# KiCad board ghoul.kicad_pcb
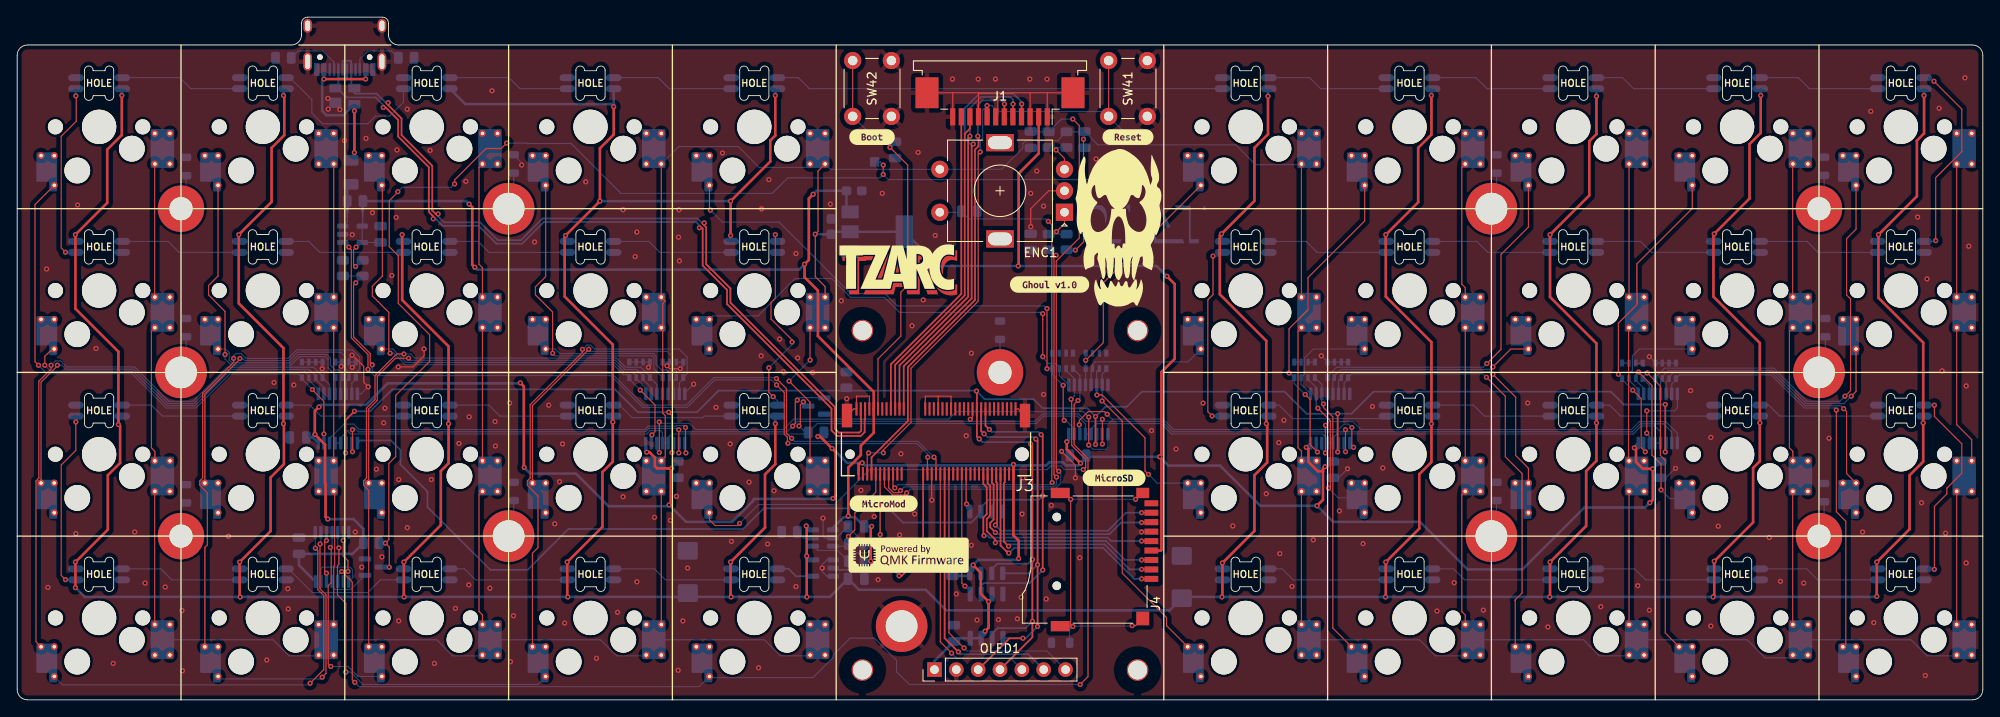
[diagram p0: board, top side]
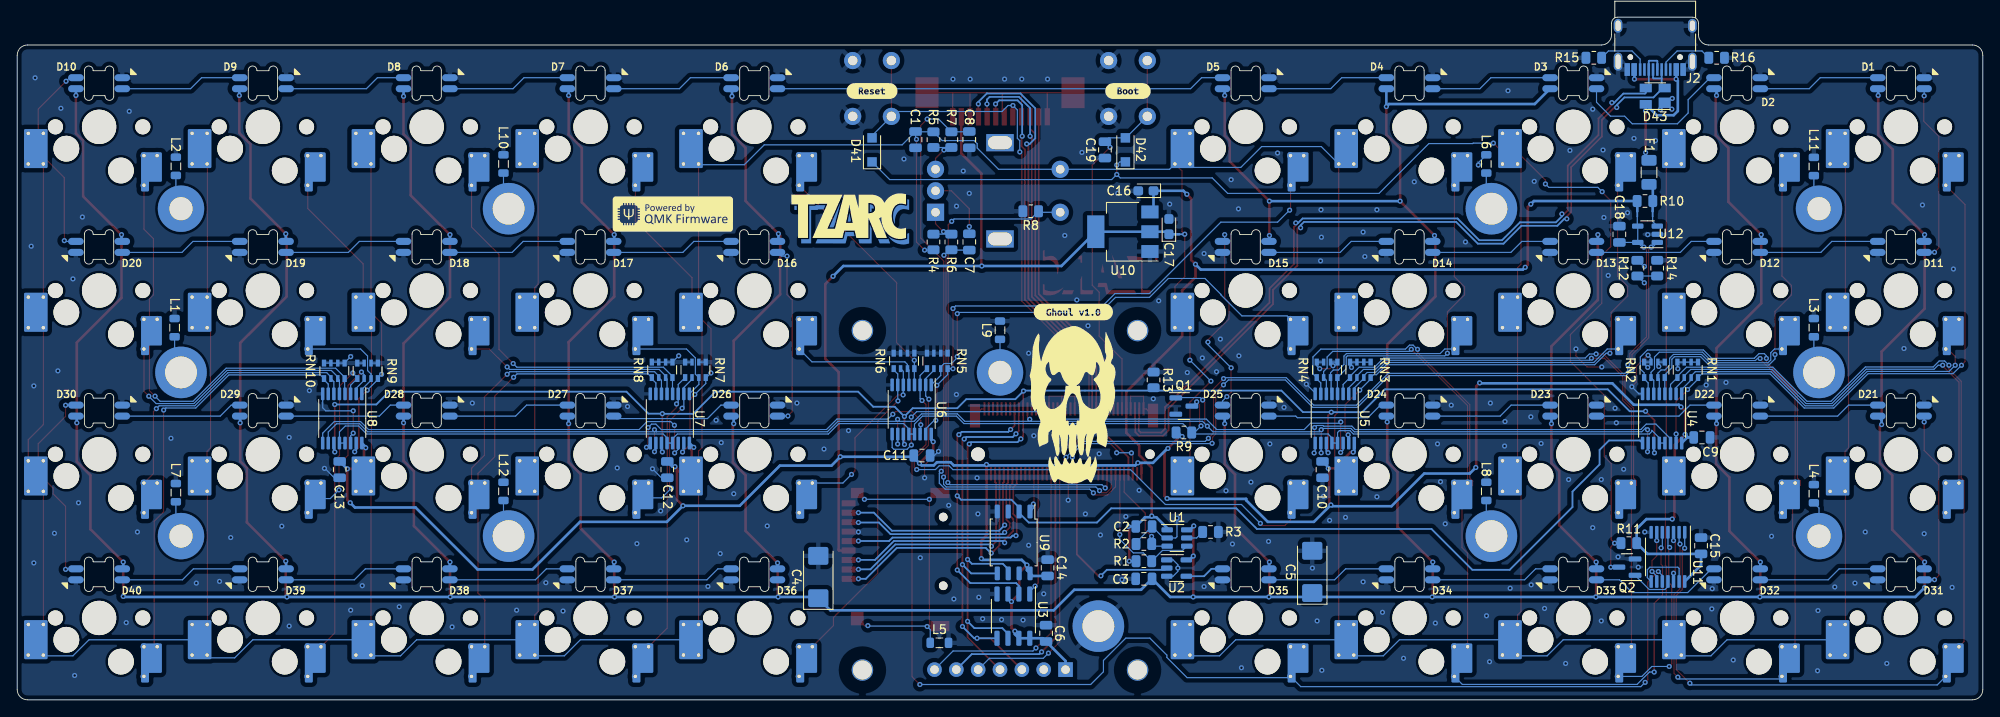
[diagram p1: board, bottom side, seen from below]

Outline 228.6 x 79.44 mm; copper layers: Top, Bottom. Coordinates in mm from the lower left corner of the outline.
Outline path: 0,75.01 0,1.19 arc(0.35,0.35) 1.19,0 227.41,0 arc(228.25,0.35) 228.6,1.19 228.6,75.01 arc(228.25,75.85) 227.41,76.2 44.37,76.2 arc(43.53,76.55) 43.18,77.39 43.18,78.74 arc(42.97,79.23) 42.48,79.44 33.77,79.44 arc(33.27,79.23) 33.07,78.74 33.07,77.39 arc(32.72,76.55) 31.88,76.2 1.19,76.2 arc(0.35,75.85) 0,75.01
Stack: Top 0.035mm / dielectric 1.51mm FR4 er 4.5 / Bottom 0.035mm

## Placement (name value [footprint] x y rotation side)
C1  100n  [C_0805_2012Metric]  124.12 65.19 270 bottom
C2  100n  [C_0805_2012Metric]  97.56 20.17 180 bottom
C3  100n  [C_0805_2012Metric]  97.57 14.08 0 bottom
C4  100u  [CP_EIA-6032-15_Kemet-U]  135.43 14.29 90 bottom
C5  100u  [CP_EIA-6032-15_Kemet-U]  77.99 14.88 90 bottom
C6  100n  [C_0805_2012Metric]  108.94 7.74 90 bottom
C7  100n  [C_0805_2012Metric]  117.87 53.28 90 bottom
C8  100n  [C_0805_2012Metric]  117.87 65.19 270 bottom
C9  100n  [C_0805_2012Metric]  32.67 30.53 180 bottom
C10  100n  [C_0805_2012Metric]  76.8 26.79 270 bottom
C11  100n  [C_0805_2012Metric]  123.38 28.43 180 bottom
C12  100n  [C_0805_2012Metric]  153 26.79 270 bottom
C13  100n  [C_0805_2012Metric]  191.1 26.79 270 bottom
C14  100n  [C_0805_2012Metric]  108.76 15.36 90 bottom
C15  100n  [C_0805_2012Metric]  32.77 17.93 90 bottom
C16  1u  [CP_EIA-2012-15_AVX-P]  97.33 59.23 0 bottom
C17  1u  [CP_EIA-2012-15_AVX-P]  94.65 55.07 90 bottom
C18  100n  [C_0805_2012Metric]  42.27 54.17 90 bottom
C19  100n  [C_0805_2012Metric]  102.1 64 270 bottom
D1  SK6803  [SK6803Mini-E]  9.53 71.75 180 top
D2  SK6803  [SK6803Mini-E]  28.58 71.75 180 top
D3  SK6803  [SK6803Mini-E]  47.63 71.75 180 top
D4  SK6803  [SK6803Mini-E]  66.68 71.75 180 top
D5  SK6803  [SK6803Mini-E]  85.73 71.75 180 top
D6  SK6803  [SK6803Mini-E]  142.88 71.75 180 top
D7  SK6803  [SK6803Mini-E]  161.93 71.75 180 top
D8  SK6803  [SK6803Mini-E]  180.98 71.75 180 top
D9  SK6803  [SK6803Mini-E]  200.03 71.75 180 top
D10  SK6803  [SK6803Mini-E]  219.08 71.75 180 top
D11  SK6803  [SK6803Mini-E]  9.53 52.7 0 top
D12  SK6803  [SK6803Mini-E]  28.58 52.7 0 top
D13  SK6803  [SK6803Mini-E]  47.63 52.7 0 top
D14  SK6803  [SK6803Mini-E]  66.68 52.7 0 top
D15  SK6803  [SK6803Mini-E]  85.73 52.7 0 top
D16  SK6803  [SK6803Mini-E]  142.88 52.7 0 top
D17  SK6803  [SK6803Mini-E]  161.93 52.7 0 top
D18  SK6803  [SK6803Mini-E]  180.98 52.7 0 top
D19  SK6803  [SK6803Mini-E]  200.03 52.7 0 top
D20  SK6803  [SK6803Mini-E]  219.08 52.7 0 top
D21  SK6803  [SK6803Mini-E]  9.53 33.65 180 top
D22  SK6803  [SK6803Mini-E]  28.58 33.65 180 top
D23  SK6803  [SK6803Mini-E]  47.63 33.65 180 top
D24  SK6803  [SK6803Mini-E]  66.68 33.65 180 top
D25  SK6803  [SK6803Mini-E]  85.73 33.65 180 top
D26  SK6803  [SK6803Mini-E]  142.88 33.65 180 top
D27  SK6803  [SK6803Mini-E]  161.93 33.65 180 top
D28  SK6803  [SK6803Mini-E]  180.98 33.65 180 top
D29  SK6803  [SK6803Mini-E]  200.03 33.65 180 top
D30  SK6803  [SK6803Mini-E]  219.08 33.65 180 top
D31  SK6803  [SK6803Mini-E]  9.53 14.6 0 top
D32  SK6803  [SK6803Mini-E]  28.58 14.6 0 top
D33  SK6803  [SK6803Mini-E]  47.63 14.6 0 top
D34  SK6803  [SK6803Mini-E]  66.68 14.6 0 top
D35  SK6803  [SK6803Mini-E]  85.73 14.6 0 top
D36  SK6803  [SK6803Mini-E]  142.88 14.6 0 top
D37  SK6803  [SK6803Mini-E]  161.93 14.6 0 top
D38  SK6803  [SK6803Mini-E]  180.98 14.6 0 top
D39  SK6803  [SK6803Mini-E]  200.03 14.6 0 top
D40  SK6803  [SK6803Mini-E]  219.08 14.6 0 top
D41  1N4148WL  [D_SOD-123F]  129.18 64 90 bottom
D42  1N4148WL  [D_SOD-123F]  99.71 64 90 bottom
D43  PRTR5V0U2X  [SOT-143]  38.1 70.25 0 bottom
ENC1  EC11N  [RotaryEncoder_Alps_EC11E-Switch_Vertical_H20mm_Centred]  114.3 59.23 180 top
F1  RF1989-000  [Fuse_1206_3216Metric]  38.82 61.38 90 bottom
G***  LOGO  [Ghoul-Logo]  128.07 54.93 0 top
G***#2  LOGO  [Tzarc-Logo]  102.47 50.03 0 top
G***#3  LOGO  [QMK_PoweredBy]  103.67 16.83 0 top
G***#4  LOGO  [Ghoul-Logo]  105.87 34.33 180 bottom
G***#5  LOGO  [Tzarc-Logo]  131.72 55.96 180 bottom
G***#6  LOGO  [QMK_PoweredBy]  152.35 56.52 180 bottom
H1  L=2.5mm M2 Standoff  [MountingHole_3.7mm_Pad]  209.55 38.1 180 bottom
H2  M2 Screw  [MountingHole_2.7mm_M2.5_Pad]  209.55 57.15 0 top
H3  L=2.5mm M2 Standoff  [MountingHole_3.7mm_Pad]  19.05 38.1 180 bottom
H4  M2 Screw  [MountingHole_2.7mm_M2.5_Pad]  19.05 19.05 0 top
H5  L=2.5mm M2 Standoff  [MountingHole_3.7mm_Pad]  57.15 57.15 180 bottom
H6  M2 Screw  [MountingHole_2.7mm_M2.5_Pad]  209.55 19.05 0 top
H7  L=2.5mm M2 Standoff  [MountingHole_3.7mm_Pad]  57.15 19.05 180 bottom
H8  M2 Screw  [MountingHole_2.7mm_M2.5_Pad]  114.3 38.1 0 top
H9  L=2.5mm M2 Standoff  [MountingHole_3.7mm_Pad]  171.45 57.15 180 bottom
H10  M2 Screw  [MountingHole_2.7mm_M2.5_Pad]  19.05 57.15 0 top
H11  L=2.5mm M2 Standoff  [MountingHole_3.7mm_Pad]  171.45 19.05 180 bottom
J1  X10B25L12T  [TE_1-84953-2_1x12-1MP_P1.0mm_Horizontal]  114.3 69.64 180 top
J2  HRO_TYPE-C-31-M-12  [USB_C_Receptacle_HRO_TYPE-C-31-M-12]  38.1 77.39 0 bottom
J3  MICROMOD_E-2222  [MicroMod_M.2-CONNECTOR-E]  106.86 28.57 180 top
J4  microSD_TF-115  [microSD_XunPu_TF-115]  120.9 16.32 270 top
kibuzzard-62354CEE  G***  [kibuzzard-62354CEE]  120.07 48.33 0 top
kibuzzard-62354CEE#2  G***  [kibuzzard-62354CEE]  105.77 45.13 180 bottom
kibuzzard-62367B4C  G***  [kibuzzard-62367B4C]  99.42 70.84 180 bottom
kibuzzard-62367B65  G***  [kibuzzard-62367B65]  99.42 65.48 0 top
kibuzzard-62367BDD  G***  [kibuzzard-62367BDD]  129.18 65.48 0 top
kibuzzard-62367C14  G***  [kibuzzard-62367C14]  129.18 70.84 180 bottom
kibuzzard-62367E91  G***  [kibuzzard-62367E91]  100.77 22.83 0 top
kibuzzard-6236804E  G***  [kibuzzard-6236804E]  127.57 25.83 0 top
L1  MPZ2012S101AT000  [L_0805_2012Metric]  210.29 43.31 90 bottom
L2  MPZ2012S101AT000  [L_0805_2012Metric]  210.15 62.08 90 bottom
L3  MPZ2012S101AT000  [L_0805_2012Metric]  19.65 43.31 90 bottom
L4  MPZ2012S101AT000  [L_0805_2012Metric]  19.65 23.98 90 bottom
L5  MPZ2012S101AT000  [L_0805_2012Metric]  121.35 6.63 180 bottom
L6  MPZ2012S101AT000  [L_0805_2012Metric]  57.75 62.36 90 bottom
L7  MPZ2012S101AT000  [L_0805_2012Metric]  210.15 24.11 90 bottom
L8  MPZ2012S101AT000  [L_0805_2012Metric]  57.75 24.26 90 bottom
L9  MPZ2012S101AT000  [L_0805_2012Metric]  114.3 43.01 90 bottom
L10  MPZ2012S101AT000  [L_0805_2012Metric]  172.05 62.36 90 bottom
L11  MPZ2012S101AT000  [L_0805_2012Metric]  19.65 62.06 90 bottom
L12  MPZ2012S101AT000  [L_0805_2012Metric]  172.05 24.26 90 bottom
NT1  -  [NetTie-2_SMD_Pad0.2mm]  93.17 54.17 0 bottom
NT2  -  [NetTie-2_SMD_Pad0.2mm]  38.4 56.55 90 bottom
NT3  -  [NetTie-2_SMD_Pad0.2mm]  40.18 56.55 90 bottom
OLED1  MTF185-107SY1  [OLED_SSD1351_1.5inch]  114.3 23.22 0 top
Q1  2N7002  [SOT-23]  92.92 34.18 180 bottom
Q2  2N7002  [SOT-23]  41.38 15.44 0 bottom
R1  5.1k  [R_0805_2012Metric]  97.57 16.13 180 bottom
R2  5.1k  [R_0805_2012Metric]  97.57 18.13 0 bottom
R3  75k  [R_0805_2012Metric]  89.82 19.53 180 bottom
R4  5.1k  [R_0805_2012Metric]  122.04 53.28 90 bottom
R5  5.1k  [R_0805_2012Metric]  122.04 65.19 270 bottom
R6  5.1k  [R_0805_2012Metric]  119.96 53.28 90 bottom
R7  5.1k  [R_0805_2012Metric]  119.96 65.19 270 bottom
R8  5.1k  [R_0805_2012Metric]  110.73 56.85 0 bottom
R9  5.1k  [R_0805_2012Metric]  92.91 31.11 0 bottom
R10  0.005R  [R_0805_2012Metric]  39.29 58.04 180 bottom
R11  5.1k  [R_0805_2012Metric]  41.17 18.23 180 bottom
R12  75k  [R_0805_2012Metric]  40.17 50.23 90 bottom
R13  5.1k  [R_0805_2012Metric]  96.44 37.23 270 bottom
R14  75k  [R_0805_2012Metric]  37.87 50.23 270 bottom
R15  5.1k  [R_0805_2012Metric]  45.24 74.71 180 bottom
R16  5.1k  [R_0805_2012Metric]  30.96 74.71 0 bottom
RN1  4x10k  [R_Array_Convex_4x0603]  34.32 38.4 270 bottom
RN2  4x10k  [R_Array_Convex_4x0603]  38.19 38.4 90 bottom
RN3  4x10k  [R_Array_Convex_4x0603]  72.39 38.4 270 bottom
RN4  4x10k  [R_Array_Convex_4x0603]  76.26 38.4 90 bottom
RN5  4x10k  [R_Array_Convex_4x0603]  121.59 39.44 270 bottom
RN6  4x10k  [R_Array_Convex_4x0603]  125.46 39.44 90 bottom
RN7  4x10k  [R_Array_Convex_4x0603]  149.72 38.4 270 bottom
RN8  4x10k  [R_Array_Convex_4x0603]  153.59 38.4 90 bottom
RN9  4x10k  [R_Array_Convex_4x0603]  187.85 38.28 270 bottom
RN10  4x10k  [R_Array_Convex_4x0603]  191.72 38.28 90 bottom
SW1  MX  [MX-1U-Hotswap]  9.53 66.67 180 top
SW2  MX  [MX-1U-Hotswap]  28.58 66.67 180 top
SW3  MX  [MX-1U-Hotswap]  47.63 66.67 180 top
SW4  MX  [MX-1U-Hotswap]  66.68 66.67 180 top
SW5  MX  [MX-1U-Hotswap]  85.73 66.67 180 top
SW6  MX  [MX-1U-Hotswap]  142.88 66.67 180 top
SW7  MX  [MX-1U-Hotswap]  161.93 66.67 180 top
SW8  MX  [MX-1U-Hotswap]  180.98 66.67 180 top
SW9  MX  [MX-1U-Hotswap]  200.03 66.67 180 top
SW10  MX  [MX-1U-Hotswap]  219.08 66.67 180 top
SW11  MX  [MX-1U-Hotswap]  9.53 47.62 180 top
SW12  MX  [MX-1U-Hotswap]  28.58 47.62 180 top
SW13  MX  [MX-1U-Hotswap]  47.63 47.62 180 top
SW14  MX  [MX-1U-Hotswap]  66.68 47.62 180 top
SW15  MX  [MX-1U-Hotswap]  85.73 47.62 180 top
SW16  MX  [MX-1U-Hotswap]  142.88 47.62 180 top
SW17  MX  [MX-1U-Hotswap]  161.93 47.62 180 top
SW18  MX  [MX-1U-Hotswap]  180.98 47.62 180 top
SW19  MX  [MX-1U-Hotswap]  200.03 47.62 180 top
SW20  MX  [MX-1U-Hotswap]  219.08 47.62 180 top
SW21  MX  [MX-1U-Hotswap]  9.53 28.57 180 top
SW22  MX  [MX-1U-Hotswap]  28.58 28.57 180 top
SW23  MX  [MX-1U-Hotswap]  47.63 28.57 180 top
SW24  MX  [MX-1U-Hotswap]  66.68 28.57 180 top
SW25  MX  [MX-1U-Hotswap]  85.73 28.57 180 top
SW26  MX  [MX-1U-Hotswap]  142.88 28.57 180 top
SW27  MX  [MX-1U-Hotswap]  161.93 28.57 180 top
SW28  MX  [MX-1U-Hotswap]  180.98 28.57 180 top
SW29  MX  [MX-1U-Hotswap]  200.03 28.57 180 top
SW30  MX  [MX-1U-Hotswap]  219.08 28.57 180 top
SW31  MX  [MX-1U-Hotswap]  9.53 9.52 180 top
SW32  MX  [MX-1U-Hotswap]  28.58 9.52 180 top
SW33  MX  [MX-1U-Hotswap]  47.63 9.52 180 top
SW34  MX  [MX-1U-Hotswap]  66.68 9.52 180 top
SW35  MX  [MX-1U-Hotswap]  85.73 9.52 180 top
SW36  MX  [MX-1U-Hotswap]  142.88 9.52 180 top
SW37  MX  [MX-1U-Hotswap]  161.93 9.52 180 top
SW38  MX  [MX-1U-Hotswap]  180.98 9.52 180 top
SW39  MX  [MX-1U-Hotswap]  200.03 9.52 180 top
SW40  MX  [MX-1U-Hotswap]  219.08 9.52 180 top
SW41  nRST  [SW_PUSH_6mm]  126.93 67.89 90 top
SW42  nBOOT  [SW_PUSH_6mm]  97.17 67.89 90 top
U1  TPS2553DBVR  [SOT-23-6]  93.72 18.83 180 bottom
U2  SN74AHCT1G125DBVR  [SOT-23-5]  93.77 15.33 180 bottom
U3  MB85RS64PNF-G-JNERE1  [SO-8_3.9x4.9mm_P1.27mm]  112.74 9.74 270 bottom
U4  MC74HC589ADTR2G  [TSSOP-16_4.4x5mm_P0.65mm]  37.29 32.74 270 bottom
U5  MC74HC589ADTR2G  [TSSOP-16_4.4x5mm_P0.65mm]  75.37 32.74 270 bottom
U6  MC74HC589ADTR2G  [TSSOP-16_4.4x5mm_P0.65mm]  124.57 33.78 270 bottom
U7  MC74HC589ADTR2G  [TSSOP-16_4.4x5mm_P0.65mm]  152.7 32.74 270 bottom
U8  MC74HC589ADTR2G  [TSSOP-16_4.4x5mm_P0.65mm]  190.8 32.74 270 bottom
U9  W25Q64JVSSIQ  [SOIC-8_5.23x5.23mm_P1.27mm]  112.71 18.31 270 bottom
U10  AZ1117H-3.3TRE1  [SOT-223-3_TabPin2]  100.01 54.47 0 bottom
U11  MC74HC08ADTR2G  [TSSOP-14_4.4x5mm_P0.65mm]  36.62 16.63 270 bottom
U12  INA180A4IDBVT  [SOT-23-5]  38.99 54.17 0 bottom

## Library data of the parts
C1-C3 C6-C15 C18 C19 = -: LCSC: C1760
C4 C5 = -: LCSC: C273664
C16 C17 = -: LCSC: C2912521
D41 D42 = -: LCSC: C108804
D43 = -: LCSC: C2827688
ENC1 = -: LCSC: C470748
F1 = -: LCSC: C207216
J1 = -: LCSC: C500171
J2 = -: LCSC: C165948
J4 = -: LCSC: C266620
L1-L12 = -: LCSC: C15957
OLED1 = -: LCSC: C358721
Q1 Q2 = -: LCSC: C8545
R1 R2 R4-R9 R11 R13 R15 R16 = -: LCSC: C27834
R3 R12 R14 = -: LCSC: C17819
R10 = -: LCSC: C845202
RN1-RN10 = -: LCSC: C29718
SW41 = -: LCSC: C2888999
SW42 = -: LCSC: C2889000
U1 = -: LCSC: C55266
U2 = -: LCSC: C7484
U3 = -: LCSC: C8741
U4-U8 = -: LCSC: C233472
U9 = -: LCSC: C179171
U10 = -: LCSC: C92517
U11 = -: LCSC: C154816
U12 = -: LCSC: C133969

## Footprints (pads in the part's own frame, mm; a bottom-side part is the same pattern mirrored in y, then rotated)
C_0805_2012Metric
  rrect 1x1.45 smd: 1(-0.95,0) 2(0.95,0)
CP_EIA-2012-15_AVX-P
  rrect 1.125x1.05 smd: 1(-0.887,0) 2(0.887,0)
CP_EIA-6032-15_Kemet-U
  rrect 2.075x2.35 smd: 1(-2.462,0) 2(2.462,0)
D_SOD-123F
  rect 1.1x1.1 smd: 1(-1.4,0) 2(1.4,0)
Fuse_1206_3216Metric
  rrect 1.25x1.75 smd: 1(-1.4,0) 2(1.4,0)
L_0805_2012Metric
  rrect 0.875x1.2 smd: 1(-1.062,0) 2(1.062,0)
MicroMod_M.2-CONNECTOR-E
  round 1.6 hole 1.6 unplated: (-10,0)
  round 1.1 hole 1.1 unplated: (10,0)
  rect 0.24x1.55 smd: 1(9.25,-5.275) 2(9,2.275) 3(8.75,-5.275) 4(8.5,2.275) 5(8.25,-5.275) 6(8,2.275) 7(7.75,-5.275) 8(7.5,2.275) 9(7.25,-5.275) 10(7,2.275) 11(6.75,-5.275) 12(6.5,2.275) 13(6.25,-5.275) 14(6,2.275) 15(5.75,-5.275) 16(5.5,2.275) 17(5.25,-5.275) 18(5,2.275) 19(4.75,-5.275) 20(4.5,2.275) 21(4.25,-5.275) 22(4,2.275) 23(3.75,-5.275) 32(1.5,2.275) 33(1.25,-5.275) 34(1,2.275) 35(0.75,-5.275) 36(0.5,2.275) 37(0.25,-5.275) 38(0,2.275) 39(-0.25,-5.275) 40(-0.5,2.275) 41(-0.75,-5.275) 42(-1,2.275) 43(-1.25,-5.275) 44(-1.5,2.275) 45(-1.75,-5.275) 46(-2,2.275) 47(-2.25,-5.275) 48(-2.5,2.275) 49(-2.75,-5.275) 50(-3,2.275) 51(-3.25,-5.275) 52(-3.5,2.275) 53(-3.75,-5.275) 54(-4,2.275) 55(-4.25,-5.275) 56(-4.5,2.275) 57(-4.75,-5.275) 58(-5,2.275) 59(-5.25,-5.275) 60(-5.5,2.275) 61(-5.75,-5.275) 62(-6,2.275) 63(-6.25,-5.275) 64(-6.5,2.275) 65(-6.75,-5.275) 66(-7,2.275) 67(-7.25,-5.275) 68(-7.5,2.275) 69(-7.75,-5.275) 70(-8,2.275) 71(-8.25,-5.275) 72(-8.5,2.275) 73(-8.75,-5.275) 74(-9,2.275) 75(-9.25,-5.275)
  rect 1.2x2.75 smd: M(-10.35,-4.5) M(10.35,-4.5)
  round 6 hole 3.7: S(4,20)
microSD_XunPu_TF-115
  round 1 hole 1 unplated: (-4.95,0) (3.05,0)
  rect 0.7x1.6 smd: 1(2.25,11) 2(1.15,11) 3(0.05,11) 4(-1.05,11) 5(-2.15,11) 6(-3.25,11) 7(-4.35,11) 8(-5.45,11) CD(-6.55,11)
  rect 1.2x1.5 smd: S(-7.75,10)
  rect 1.2x2.2 smd: S(-7.75,0.4) S(7.75,0.4)
  rect 1.6x1.5 smd: S(6.85,10)
MountingHole_2.7mm_M2.5_Pad
  round 5.4 hole 2.7: 1(0,0)
MountingHole_3.7mm_Pad
  round 6 hole 3.7: 1(0,0)
MX-1U-Hotswap
  round 1.75 hole 1.75 unplated: (-5.08,0) (5.08,0)
  round 3 hole 3 unplated: (-3.81,2.54) (2.54,5.08)
  round 3.988 hole 3.988 unplated: (0,0)
  round 0.8 hole 0.4: 1(-8.235,4.318) 1(-8.235,0.762) 1(-6.485,4.318) 1(-6.485,0.762) 2(5.214,6.802) 2(5.215,3.348) 2(6.75,3.348)
  custom 2.738x4.542 smd far side: 1(-7.36,2.616)
  rect 2.55x2.5 smd far side: 1(-7.36,2.54)
  custom 2.423x4.551 smd far side: 2(6.09,5.156)
  rect 2.123x2.169 smd far side: 2(6.09,5.075)
NetTie-2_SMD_Pad0.2mm
  round 0.2 smd: 1(-0.3,0) 2(0.3,0)
OLED_SSD1351_1.5inch
  round 2.5 hole 2.2 unplated: (-16,19.75) (-16,-19.75) (16,19.75) (16,-19.75)
  rect 1.7x1.7 hole 1: 1(-7.62,-19.7)
  oval 1.7x1.7 hole 1: 2(-5.08,-19.7) 3(-2.54,-19.7) 4(0,-19.7) 5(2.54,-19.7) 6(5.08,-19.7) 7(7.62,-19.7)
R_0805_2012Metric
  rrect 1.025x1.4 smd: 1(-0.912,0) 2(0.912,0)
R_Array_Convex_4x0603
  rect 0.8x0.5 smd: 1(-0.9,1.2) 4(-0.9,-1.2) 5(0.9,-1.2) 8(0.9,1.2)
  rect 0.8x0.4 smd: 2(-0.9,0.4) 3(-0.9,-0.4) 6(0.9,-0.4) 7(0.9,0.4)
RotaryEncoder_Alps_EC11E-Switch_Vertical_H20mm_Centred
  rect 2x2 hole 1: A(-7.5,2.5)
  round 2 hole 1: B(-7.5,-2.5) C(-7.5,0) S1(7,-2.5) S2(7,2.5)
  rect 3.2x2 hole 2.8x1.5: MP(0,5.6) MP(0,-5.6)
SK6803Mini-E
  oval 1.8x0.82 smd far side: 1(2.7,-0.64) 2(2.7,0.64) 3(-2.7,0.64) 4(-2.7,-0.64)
SO-8_3.9x4.9mm_P1.27mm
  rrect 1.75x0.6 smd: 1(-2.575,1.905) 2(-2.575,0.635) 3(-2.575,-0.635) 4(-2.575,-1.905) 5(2.575,-1.905) 6(2.575,-0.635) 7(2.575,0.635) 8(2.575,1.905)
SOIC-8_5.23x5.23mm_P1.27mm
  rrect 1.6x0.6 smd: 1(-3.6,1.905) 2(-3.6,0.635) 3(-3.6,-0.635) 4(-3.6,-1.905) 5(3.6,-1.905) 6(3.6,-0.635) 7(3.6,0.635) 8(3.6,1.905)
SOT-23
  rrect 1.475x0.6 smd: 1(-0.938,0.95) 2(-0.938,-0.95) 3(0.938,0)
SOT-23-5
  rrect 1.325x0.6 smd: 1(-1.137,0.95) 2(-1.137,0) 3(-1.137,-0.95) 4(1.137,-0.95) 5(1.137,0.95)
SOT-23-6
  rrect 1.325x0.6 smd: 1(-1.137,0.95) 2(-1.137,0) 3(-1.137,-0.95) 4(1.137,-0.95) 5(1.137,0) 6(1.137,0.95)
SOT-143
  rect 1.4x1.2 smd: 1(-1.1,0.77)
  rect 1.4x1 smd: 2(-1.1,-0.95) 3(1.1,-0.95) 4(1.1,0.95)
SOT-223-3_TabPin2
  rect 2x1.5 smd: 1(-3.15,2.3) 2(-3.15,0) 3(-3.15,-2.3)
  rect 2x3.8 smd: 2(3.15,0)
SW_PUSH_6mm
  round 2 hole 1.1: 1(0,0) 1(6.5,0) 2(0,-4.5) 2(6.5,-4.5)
TE_1-84953-2_1x12-1MP_P1.0mm_Horizontal
  rect 0.61x2 smd: 1(-5.5,1.8) 2(-4.5,1.8) 3(-3.5,1.8) 4(-2.5,1.8) 5(-1.5,1.8) 6(-0.5,1.8) 7(0.5,1.8) 8(1.5,1.8) 9(2.5,1.8) 10(3.5,1.8) 11(4.5,1.8) 12(5.5,1.8)
  rect 2.68x3.6 smd: MP(-8.49,-1) MP(8.49,-1)
TSSOP-14_4.4x5mm_P0.65mm
  rrect 1.475x0.4 smd: 1(-2.862,1.95) 2(-2.862,1.3) 3(-2.862,0.65) 4(-2.862,0) 5(-2.862,-0.65) 6(-2.862,-1.3) 7(-2.862,-1.95) 8(2.862,-1.95) 9(2.862,-1.3) 10(2.862,-0.65) 11(2.862,0) 12(2.862,0.65) 13(2.862,1.3) 14(2.862,1.95)
TSSOP-16_4.4x5mm_P0.65mm
  rrect 1.475x0.4 smd: 1(-2.862,2.275) 2(-2.862,1.625) 3(-2.862,0.975) 4(-2.862,0.325) 5(-2.862,-0.325) 6(-2.862,-0.975) 7(-2.862,-1.625) 8(-2.862,-2.275) 9(2.862,-2.275) 10(2.862,-1.625) 11(2.862,-0.975) 12(2.862,-0.325) 13(2.862,0.325) 14(2.862,0.975) 15(2.862,1.625) 16(2.862,2.275)
USB_C_Receptacle_HRO_TYPE-C-31-M-12
  round 0.65 hole 0.65 unplated: (-2.89,2.6) (2.89,2.6)
  rect 0.6x1.45 smd: A1(-3.25,4.045) A4(-2.45,4.045) A9(2.45,4.045) A12(3.25,4.045) B1(3.25,4.045) B4(2.45,4.045) B9(-2.45,4.045) B12(-3.25,4.045)
  rect 0.3x1.45 smd: A5(-1.25,4.045) A6(-0.25,4.045) A7(0.25,4.045) A8(1.25,4.045) B5(1.75,4.045) B6(0.75,4.045) B7(-0.75,4.045) B8(-1.75,4.045)
  oval 1x1.6 hole 0.6x1.2: S1(-4.32,-1.05) S1(4.32,-1.05)
  oval 1x2.1 hole 0.6x1.7: S1(-4.32,3.13) S1(4.32,3.13)

## Nets
5V_Post: C2.1 C16.1 J3.9 NT3.2 R1.1 R10.1 U1.1 U10.3
5V_Pre: F1.1 NT2.2 R10.2
+3V3: C6.1 C9.1 C10.1 C11.1 C12.1 C13.1 C14.1 C15.1 C17.1 J1.2 J3.2 J3.74 J4.4 NT1.2 OLED1.1 R9.2 R11.2 U3.3 U3.7 U3.8 U4.16 U5.16 U6.16 U7.16 U8.16 U9.8 U10.2 U11.14
GND: C1.2 C2.2 C3.2 C4.2 C5.2 C6.2 C7.2 C8.2 C9.2 C10.2 C11.2 C12.2 C13.2 C14.2 C15.2 C16.2 C17.2 C18.2 C19.2 D1.1 D2.1 D3.1 D4.1 D5.1 D6.1 D7.1 D8.1 D9.1 D10.1 D11.1 D12.1 D13.1 D14.1 D15.1 D16.1 D17.1 D18.1 D19.1 D20.1 D21.1 D22.1 D23.1 D24.1 D25.1 D26.1 D27.1 D28.1 D29.1 D30.1 D31.1 D32.1 D33.1 D34.1 D35.1 D36.1 D37.1 D38.1 D39.1 D40.1 D43.1 ENC1.C J1.1 J1.3 J1.7 J1.9 J1.12 J1.MP J2.A1 J2.A12 J2.B1 J2.B12 J2.S1 J3.1 J3.7 J3.33 J3.36 J3.39 J3.45 J3.75 J3.M J3.S J4.6 L1.2 L2.2 L3.2 L4.2 L5.2 L6.2 L7.2 L8.2 L9.2 L10.2 L11.2 L12.2 OLED1.2 Q1.2 Q2.2 R2.2 R3.2 R8.2 R13.1 R14.1 R15.1 R16.1 RN1.1 RN1.2 RN1.3 RN1.4 RN2.5 RN2.6 RN2.7 RN2.8 RN3.1 RN3.2 RN3.3 RN3.4 RN4.5 RN4.6 RN4.7 RN4.8 RN5.1 RN5.2 RN5.3 RN5.4 RN6.5 RN6.6 RN6.7 RN6.8 RN7.1 RN7.2 RN7.3 RN7.4 RN8.5 RN8.6 RN8.7 RN8.8 RN9.1 RN9.2 RN9.3 RN9.4 RN10.5 RN10.6 RN10.7 RN10.8 SW41.2 SW42.2 U1.2 U2.1 U2.3 U3.4 U4.8 U5.8 U6.8 U7.8 U8.8 U8.14 U9.4 U10.1 U11.7 U12.2
VBUS: D43.4 F1.2 J2.A4 J2.A9 J2.B4 J2.B9
/Matrix_1_2: U4.14 U5.9
/Matrix_2_3: U5.14 U6.9
/Matrix_3_4: U6.14 U7.9
/Matrix_4_5: U7.14 U8.9
/Matrix_Latch: Q1.3 R9.1 U4.12 U4.13 U5.12 U5.13 U6.12 U6.13 U7.12 U7.13 U8.12 U8.13
CC1: J2.A5 R16.2
CC2: J2.B5 R15.2
CURR_LIM: R3.1 U1.5
CURR_MEAS: J3.34 U12.1
D+: D43.3 J2.A6 J2.B6 J3.3
D-: D43.2 J2.A7 J2.B7 J3.5
DBG_RX_TGT_TX: J1.11 J3.17
DBG_TX_TGT_RX: J1.10 J3.19
EEPROM_CS: J3.50 U3.1
ENC_A: C7.1 J3.16 R6.1
ENC_B: C8.1 J3.14 R7.1
ENC_SW: ENC1.S2 J3.18 R8.1
FLASH_CS: J3.52 U9.1
k00: RN1.8 SW1.2 U4.15
k01: RN1.7 SW11.2 U4.1
k02: RN1.6 SW21.2 U4.2
k03: RN1.5 SW31.2 U4.3 U11.1
k03&&k07: U11.3 U11.12
k04: RN2.4 SW2.2 U4.4
k05: RN2.3 SW12.2 U4.5
k06: RN2.2 SW22.2 U4.6
k07: RN2.1 SW32.2 U4.7 U11.2
k10: RN3.8 SW3.2 U5.15
k11: RN3.7 SW13.2 U5.1
k12: RN3.6 SW23.2 U5.2
k13: RN3.5 SW33.2 U5.3 U11.4
k13&&k17: U11.6 U11.9
k13&&k17&&k23: U11.8 U11.13
k14: RN4.4 SW4.2 U5.4
k15: RN4.3 SW14.2 U5.5
k16: RN4.2 SW24.2 U5.6
k17: RN4.1 SW34.2 U5.7 U11.5
k20: RN5.8 SW5.2 U6.15
k21: RN5.7 SW15.2 U6.1
k22: RN5.6 SW25.2 U6.2
k23: RN5.5 SW35.2 U6.3 U11.10
k24: RN6.4 SW6.2 U6.4
k25: RN6.3 SW16.2 U6.5
k26: RN6.2 SW26.2 U6.6
k27: RN6.1 SW36.2 U6.7
k30: RN7.8 SW7.2 U7.15
k31: RN7.7 SW17.2 U7.1
k32: RN7.6 SW27.2 U7.2
k33: RN7.5 SW37.2 U7.3
k34: RN8.4 SW8.2 U7.4
k35: RN8.3 SW18.2 U7.5
k36: RN8.2 SW28.2 U7.6
k37: RN8.1 SW38.2 U7.7
k40: RN9.8 SW9.2 U8.15
k41: RN9.7 SW19.2 U8.1
k42: RN9.6 SW29.2 U8.2
k43: RN9.5 SW39.2 U8.3
k44: RN10.4 SW10.2 U8.4
k45: RN10.3 SW20.2 U8.5
k46: RN10.2 SW30.2 U8.6
k47: RN10.1 SW40.2 U8.7
Key_Pullup: C1.1 ENC1.S1 NT1.1 R4.1 R5.1 SW1.1 SW2.1 SW3.1 SW4.1 SW5.1 SW6.1 SW7.1 SW8.1 SW9.1 SW10.1 SW11.1 SW12.1 SW13.1 SW14.1 SW15.1 SW16.1 SW17.1 SW18.1 SW19.1 SW20.1 SW21.1 SW22.1 SW23.1 SW24.1 SW25.1 SW26.1 SW27.1 SW28.1 SW29.1 SW30.1 SW31.1 SW32.1 SW33.1 SW34.1 SW35.1 SW36.1 SW37.1 SW38.1 SW39.1 SW40.1
MATRIX_CS: J3.55 Q1.1 U4.10 U5.10 U6.10 U7.10 U8.10
MISO: J3.61 U3.2 U4.9 U9.2
MOSI: J3.59 OLED1.3 U3.5 U9.5
nBOOT: C19.1 D42.2 J3.11 SW42.1
nRESET: D41.2 J1.8 J3.6 SW41.1
OLED_CS: J3.40 OLED1.5
OLED_DC: J3.42 OLED1.6
OLED_RST: J3.44 OLED1.7
ROT_A: ENC1.A R4.2 R6.2
ROT_B: ENC1.B R5.2 R7.2
SCK: J3.57 OLED1.4 R13.2 U3.6 U4.11 U5.11 U6.11 U7.11 U8.11 U9.6
SDIO_CLK: J3.60 J4.5
SDIO_CMD: J3.62 J4.3
SDIO_DATA0: J3.64 J4.7
SDIO_DATA1: J3.66 J4.8
SDIO_DATA2: J3.68 J4.1
SDIO_DATA3: J3.70 J4.2
SK6803_DAT_3V3: J3.32 U2.2
SK6803_DAT_5V: D35.2 U2.4
SK6803_EN: J3.10 R2.1 U1.3
SK6803_NFAULT: J3.12 R1.2 U1.4
SK6803_PWR: C3.1 C4.1 C5.1 D1.3 D2.3 D3.3 D4.3 D5.3 D6.3 D7.3 D8.3 D9.3 D10.3 D11.3 D12.3 D13.3 D14.3 D15.3 D16.3 D17.3 D18.3 D19.3 D20.3 D21.3 D22.3 D23.3 D24.3 D25.3 D26.3 D27.3 D28.3 D29.3 D30.3 D31.3 D32.3 D33.3 D34.3 D35.3 D36.3 D37.3 D38.3 D39.3 D40.3 U1.6 U2.5
SWCLK: J1.5 J3.21
SWDIO: J1.4 J3.23
SWO: J1.6 J3.8
VOLT_MEAS: J3.38 R12.1 R14.2
Net-(C18-Pad1): C18.1 NT3.1 R12.2 U12.4 U12.5
Net-(D1-Pad2): D1.2 D11.4
Net-(D1-Pad4): D1.4 D2.2
Net-(D2-Pad4): D2.4 D3.2
Net-(D3-Pad4): D3.4 D4.2
Net-(D4-Pad4): D4.4 D5.2
Net-(D5-Pad4): D5.4 D6.2
Net-(D6-Pad4): D6.4 D7.2
Net-(D7-Pad4): D7.4 D8.2
Net-(D8-Pad4): D8.4 D9.2
Net-(D10-Pad2): D9.4 D10.2
Net-(D10-Pad4): D10.4 D20.2
Net-(D11-Pad2): D11.2 D12.4
Net-(D12-Pad2): D12.2 D13.4
Net-(D13-Pad2): D13.2 D14.4
Net-(D14-Pad2): D14.2 D15.4
Net-(D15-Pad2): D15.2 D25.4
Net-(D16-Pad2): D16.2 D17.4
Net-(D16-Pad4): D16.4 D26.2
Net-(D17-Pad2): D17.2 D18.4
Net-(D18-Pad2): D18.2 D19.4
Net-(D19-Pad2): D19.2 D20.4
Net-(D21-Pad2): D21.2 D31.4
Net-(D21-Pad4): D21.4 D22.2
Net-(D22-Pad4): D22.4 D23.2
Net-(D23-Pad4): D23.4 D24.2
Net-(D24-Pad4): D24.4 D25.2
Net-(D26-Pad4): D26.4 D27.2
Net-(D27-Pad4): D27.4 D28.2
Net-(D28-Pad4): D28.4 D29.2
Net-(D29-Pad4): D29.4 D30.2
Net-(D30-Pad4): D30.4 D40.2
Net-(D31-Pad2): D31.2 D32.4
Net-(D32-Pad2): D32.2 D33.4
Net-(D33-Pad2): D33.2 D34.4
Net-(D34-Pad2): D34.2 D35.4
Net-(D36-Pad2): D36.2 D37.4
Net-(D37-Pad2): D37.2 D38.4
Net-(D38-Pad2): D38.2 D39.4
Net-(D39-Pad2): D39.2 D40.4